# Altium PCB CPU_CARD.pcbdoc (part 1 of 10)
Units mil, origin at the board's own origin, x right, y up, seen from the top; angles counter-clockwise.
Board outline 12785.46 x 11935.21 mil, 2 copper layers (Top Layer, Bottom Layer); 169 components, 379 nets, 1548 pads, 1023 vias.
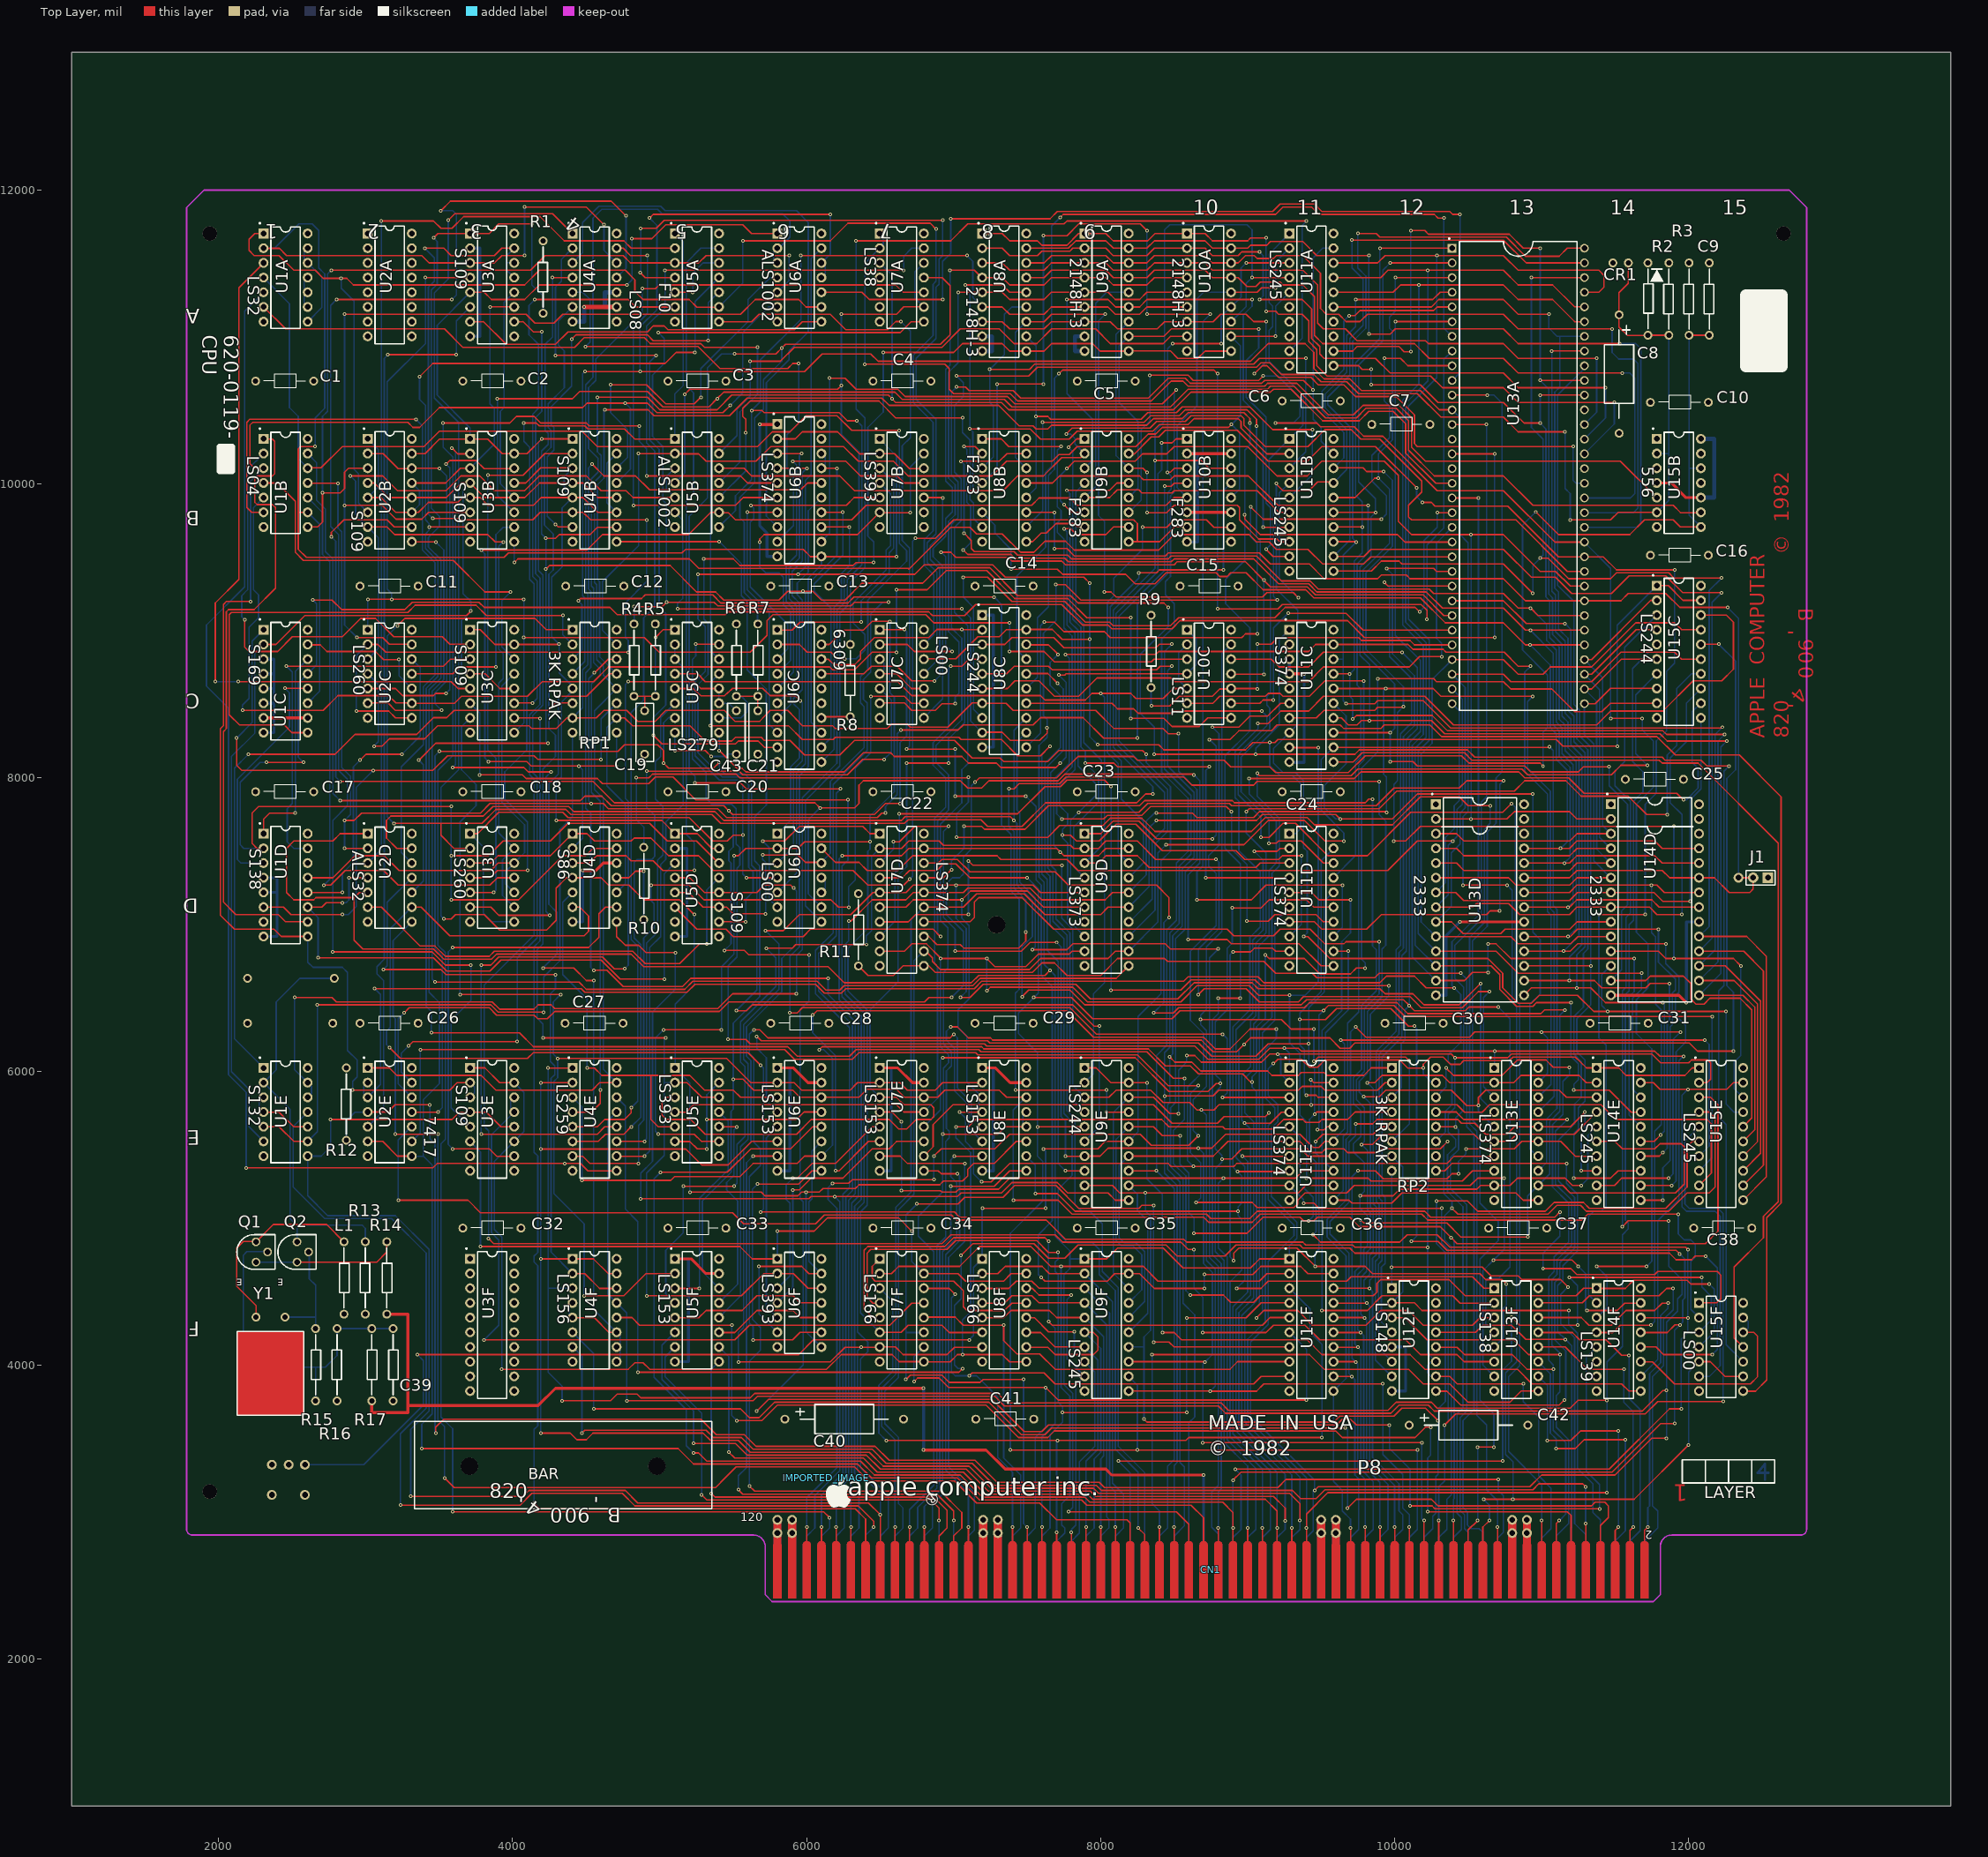
[diagram p0: Top Layer view]
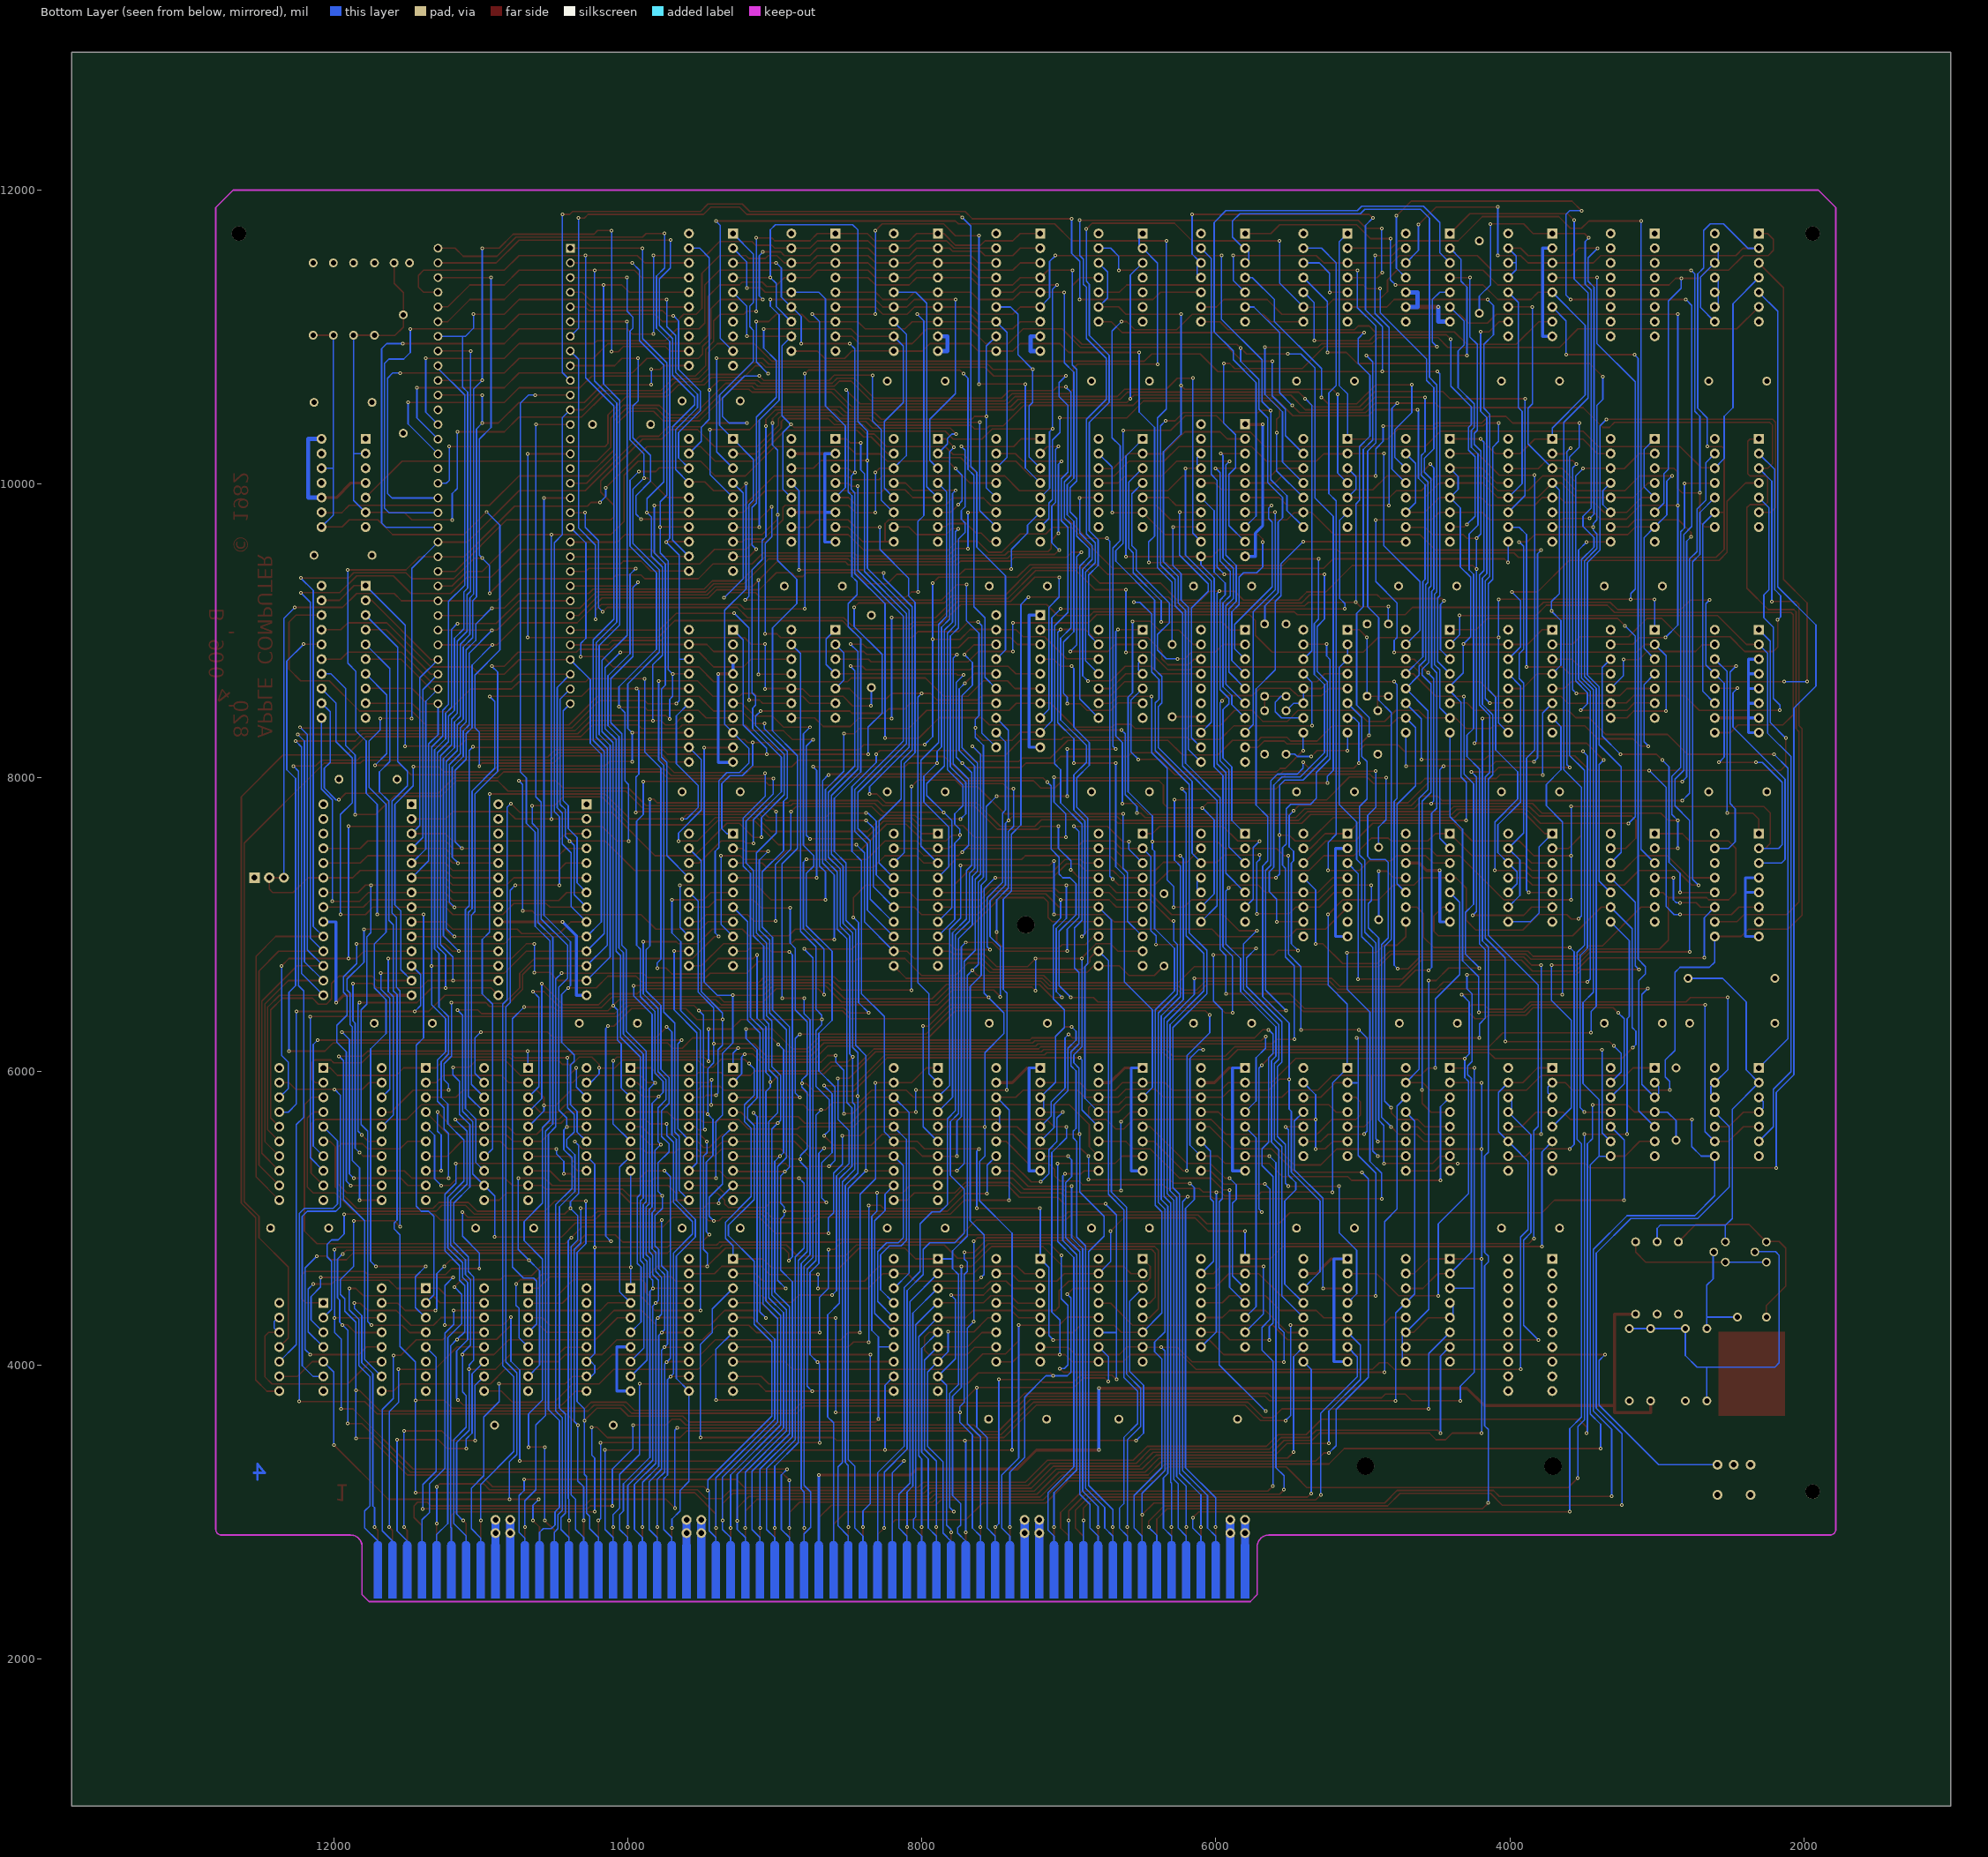
[diagram p1: Bottom Layer view, seen from below]

## Layer stack, top to bottom
Top Layer: signal copper (thickness not stored)
Dielectric: dielectric 12.6, FR-4, Dk 4.8
Bottom Layer: signal copper (thickness not stored)

## Board outline
13785.46,1000 1000,1000 1000,12935.21 13785.46,12935.21

## Components (designator, comment, footprint, x,y, rotation, side; value= is the part's Value field where it differs from the comment)
C1 "LISA_CPU_DECOUPLER_CERAMIC_CAP" CERAMIC_CAP_LISA 2446.7,10697.2 r0 top
C2 "LISA_CPU_DECOUPLER_CERAMIC_CAP" CERAMIC_CAP_LISA 3856.7,10697.2 r0 top
C3 "LISA_CPU_DECOUPLER_CERAMIC_CAP" CERAMIC_CAP_LISA 5251.7,10697.2 r0 top
C4 "LISA_CPU_DECOUPLER_CERAMIC_CAP" CERAMIC_CAP_LISA 6646.7,10697.2 r0 top
C5 "LISA_CPU_DECOUPLER_CERAMIC_CAP" CERAMIC_CAP_LISA 8036.7,10697.2 r0 top
C6 "LISA_CPU_DECOUPLER_CERAMIC_CAP" CERAMIC_CAP_LISA 9431.7,10562.2 r0 top
C7 "LISA_CPU_DECOUPLER_CERAMIC_CAP" CERAMIC_CAP_LISA 10041.7,10402.2 r0 top
C8 "2.2uF" LISA_CPU_AXIAL_CAP 11528.92,10745.4 r270 top
C9 ".01uF" LISA_RESISTOR 12143.1,11255.9 r90 top
C10 "LISA_CPU_DECOUPLER_CERAMIC_CAP" CERAMIC_CAP_LISA 11936.7,10552.2 r0 top
C11 "LISA_CPU_DECOUPLER_CERAMIC_CAP" CERAMIC_CAP_LISA 3156.7,9302.2 r0 top
C12 "LISA_CPU_DECOUPLER_CERAMIC_CAP" CERAMIC_CAP_LISA 4556.7,9302.2 r0 top
C13 "LISA_CPU_DECOUPLER_CERAMIC_CAP" CERAMIC_CAP_LISA 5951.7,9302.2 r0 top
C14 "LISA_CPU_DECOUPLER_CERAMIC_CAP" CERAMIC_CAP_LISA 7341.7,9302.2 r0 top
C15 "LISA_CPU_DECOUPLER_CERAMIC_CAP" CERAMIC_CAP_LISA 8736.7,9302.2 r0 top
C16 "LISA_CPU_DECOUPLER_CERAMIC_CAP" CERAMIC_CAP_LISA 11936.7,9512.2 r0 top
C17 "LISA_CPU_DECOUPLER_CERAMIC_CAP" CERAMIC_CAP_LISA 2446.7,7902.2 r0 top
C18 "LISA_CPU_DECOUPLER_CERAMIC_CAP" CERAMIC_CAP_LISA 3856.7,7902.2 r0 top
C19 "220pF" LISA_DISC_CERAMIC_CAPACITOR 4898.6,8303.9 r90 top
C20 "LISA_CPU_DECOUPLER_CERAMIC_CAP" CERAMIC_CAP_LISA 5251.7,7902.2 r0 top
C21 "220pF" LISA_DISC_CERAMIC_CAPACITOR 5668.31,8303.9 r90 top
C22 "LISA_CPU_DECOUPLER_CERAMIC_CAP" CERAMIC_CAP_LISA 6646.7,7902.2 r0 top
C23 "LISA_CPU_DECOUPLER_CERAMIC_CAP" CERAMIC_CAP_LISA 8036.7,7902.2 r0 top
C24 "LISA_CPU_DECOUPLER_CERAMIC_CAP" CERAMIC_CAP_LISA 9431.7,7902.2 r0 top
C25 "LISA_CPU_DECOUPLER_CERAMIC_CAP" CERAMIC_CAP_LISA 11766.7,7987.2 r0 top
C26 "LISA_CPU_DECOUPLER_CERAMIC_CAP" CERAMIC_CAP_LISA 3156.7,6327.2 r0 top
C27 "LISA_CPU_DECOUPLER_CERAMIC_CAP" CERAMIC_CAP_LISA 4551.7,6327.2 r0 top
C28 "LISA_CPU_DECOUPLER_CERAMIC_CAP" CERAMIC_CAP_LISA 5951.7,6327.2 r0 top
C29 "LISA_CPU_DECOUPLER_CERAMIC_CAP" CERAMIC_CAP_LISA 7341.7,6327.2 r0 top
C30 "LISA_CPU_DECOUPLER_CERAMIC_CAP" CERAMIC_CAP_LISA 10131.7,6327.2 r0 top
C31 "LISA_CPU_DECOUPLER_CERAMIC_CAP" CERAMIC_CAP_LISA 11526.7,6327.2 r0 top
C32 "LISA_CPU_DECOUPLER_CERAMIC_CAP" CERAMIC_CAP_LISA 3856.7,4932.2 r0 top
C33 "LISA_CPU_DECOUPLER_CERAMIC_CAP" CERAMIC_CAP_LISA 5251.7,4932.2 r0 top
C34 "LISA_CPU_DECOUPLER_CERAMIC_CAP" CERAMIC_CAP_LISA 6646.7,4932.2 r0 top
C35 "LISA_CPU_DECOUPLER_CERAMIC_CAP" CERAMIC_CAP_LISA 8036.7,4932.2 r0 top
C36 "LISA_CPU_DECOUPLER_CERAMIC_CAP" CERAMIC_CAP_LISA 9431.7,4932.2 r0 top
C37 "LISA_CPU_DECOUPLER_CERAMIC_CAP" CERAMIC_CAP_LISA 10836.7,4932.2 r0 top
C38 "LISA_CPU_DECOUPLER_CERAMIC_CAP" CERAMIC_CAP_LISA 12231.7,4932.2 r0 top
C39 "0.1uF" LISA_RESISTOR 3187.2,4002.5 r270 top
C40 "LISA_CPU_AXIAL_CAP" LISA_CPU_AXIAL_CAP 6256.7,3632.2 r0 top
C41 "LISA_CPU_DECOUPLER_CERAMIC_CAP" CERAMIC_CAP_LISA 7346.7,3632.2 r0 top
C42 "LISA_CPU_AXIAL_CAP" LISA_CPU_AXIAL_CAP 10504.12,3591.71 r0 top
C43 "220pF" LISA_DISC_CERAMIC_CAPACITOR 5522.6,8303.9 r90 top
CN1 "CPU Card Connector" LISA_60_PIN_EDGE_MK5 8851.7,2607.2 r0 top
CR1 "1N4148" LISA_CPU_DIODE 11720.8,11254.8 r90 top
IMPORTED_IMAGE "IMPORTED_IMAGE" IMPORTED_IMAGE 6132.85,3232.37 r0 top
J1 "UA12 +5V" HDR-TH_2P-P2.54-V-M-1 12491.7,7317.29 r180 top
L1 "INDUCTOR" LISA_RESISTOR 2852.6,4593.1 r270 top
Q1 "PN4258" LISA_CPU_TRANSISTOR 2332.88,4770.24 r90 top
Q2 "PN4258" LISA_CPU_TRANSISTOR 2611.7,4770.24 r90 top
R1 "1.5K" LISA_RESISTOR 4207.7,11404.8 r90 top
R2 "470K" LISA_RESISTOR 11867.5,11255.9 r90 top
R3 "5.1K" LISA_RESISTOR 12005.3,11255.9 r90 top
R4 "150" LISA_RESISTOR 4825.8,8798.4 r270 top
R5 "3.3K" LISA_RESISTOR 4971.5,8798.4 r270 top
R6 "3.3K" LISA_RESISTOR 5522.6,8798.4 r270 top
R7 "150" LISA_RESISTOR 5668.3,8798.4 r270 top
R8 "150" LISA_RESISTOR 6298.2,8659.1 r90 top
R9 "1K" LISA_RESISTOR 8344.7,8858.1 r270 top
R10 "22" LISA_RESISTOR 4892.7,7278.2 r270 top
R11 "1.5K" LISA_RESISTOR 6352.6,6963.3 r270 top
R12 "3.3K" LISA_RESISTOR 2868.3,5776.7 r90 top
R13 "150" LISA_RESISTOR 2998.2,4593.1 r90 top
R14 "330" LISA_RESISTOR 3143.9,4593.1 r270 top
R15 "47" LISA_RESISTOR 2659.7,4002.5 r270 top
R16 "1K" LISA_RESISTOR 2805.3,4002.5 r90 top
R17 "1.5K" LISA_RESISTOR 3041.5,4002.5 r270 top
RP1 "3.3K OHM RESPACK" LISA_DIP_16 4557.68,8655.08 r270 top
RP2 "3.3K OHM RESPACK" LISA_DIP_16 10132.48,5672.81 r270 top
U1A "74LS32" LISA_DIP_14 2455.32,11401.92 r270 top
U1B "74LS04" LISA_DIP_14 2455.32,10004.29 r270 top
U1C "74LS169" LISA_DIP_16 2455.33,8655.08 r270 top
U1D "74LS138" LISA_DIP_16 2455.33,7267.29 r270 top
U1E "74LS132" LISA_DIP_14 2455.32,5722.8 r270 top
U2A "LISA_EMPTY_DIP_16" LISA_DIP_16 3163.99,11351.92 r270 top
U2B "74S109" LISA_DIP_16 3163.99,9954.29 r270 top
U2C "74LS260" LISA_DIP_14 3163.98,8705.08 r270 top
U2D "74LS32" LISA_DIP_14 3163.98,7317.29 r270 top
U2E "7417" LISA_DIP_14 3163.98,5722.8 r270 top
U3A "74S109" LISA_DIP_16 3860.83,11351.93 r270 top
U3B "74S109" LISA_DIP_16 3860.83,9954.3 r270 top
U3C "74S109" LISA_DIP_16 3860.83,8655.08 r270 top
U3D "74LS260" LISA_DIP_14 3860.83,7317.29 r270 top
U3E "74S109" LISA_DIP_16 3860.83,5672.81 r270 top
U3F "LISA_EMPTY_DIP_20" LISA_DIP_20 3860.83,4273.59 r270 top
U4A "74LS08" LISA_DIP_14 4557.68,11401.92 r270 top
U4B "74S109" LISA_DIP_16 4557.68,9954.3 r270 top
U4D "74S86" LISA_DIP_14 4557.68,7317.29 r270 top
U4E "74LS259" LISA_DIP_16 4557.68,5672.81 r270 top
U4F "74LS156" LISA_DIP_16 4557.68,4373.6 r270 top
U5A "74F10" LISA_DIP_14 5254.53,11401.92 r270 top
U5B "74ALS1002" LISA_DIP_14 5254.53,10004.29 r270 top
U5C "74LS279" LISA_DIP_16 5254.53,8655.08 r270 top
U5D "74S109" LISA_DIP_16 5254.53,7267.29 r270 top
U5E "74LS393" LISA_DIP_14 5254.53,5722.8 r270 top
U5F "74LS153" LISA_DIP_16 5254.53,4373.6 r270 top
U6A "74ALS1002" LISA_DIP_14 5951.38,11401.92 r270 top
U6B "74LS374" LISA_DIP_20 5951.38,9954.29 r270 top
U6C "371-0072" LISA_DIP_20 5951.38,8555.08 r270 top
U6D "74LS00" LISA_DIP_14 5951.38,7317.29 r270 top
U6E "74LS153" LISA_DIP_16 5951.38,5672.81 r270 top
U6F "74LS393" LISA_DIP_14 5951.38,4423.59 r270 top
U7A "74LS38" LISA_DIP_14 6648.23,11401.92 r270 top
U7B "74LS393" LISA_DIP_14 6648.23,10004.29 r270 top
U7C "74LS00" LISA_DIP_14 6648.23,8705.08 r270 top
U7D "74LS374" LISA_DIP_20 6648.23,7167.29 r270 top
U7E "74LS153" LISA_DIP_16 6648.23,5672.81 r270 top
U7F "74LS166" LISA_DIP_16 6648.23,4373.6 r270 top
U8A "2148H" LISA_DIP_18 7345.07,11301.92 r270 top
U8B "74F283" LISA_DIP_16 7345.08,9954.3 r270 top
U8C "74LS244" LISA_DIP_20 7345.07,8655.08 r270 top
U8E "74LS153" LISA_DIP_16 7345.08,5672.81 r270 top
U8F "74LS166" LISA_DIP_16 7345.08,4373.6 r270 top
U9A "2148H" LISA_DIP_18 8041.92,11301.92 r270 top
U9B "74F283" LISA_DIP_16 8041.93,9954.29 r270 top
U9D "74LS373" LISA_DIP_20 8041.92,7167.29 r270 top
U9E "74LS244" LISA_DIP_20 8041.92,5572.8 r270 top
U9F "74LS245" LISA_DIP_20 8041.92,4273.59 r270 top
U10A "2148H" LISA_DIP_18 8738.77,11301.92 r270 top
U10B "74F283" LISA_DIP_16 8738.78,9954.29 r270 top
U10C "74LS11" LISA_DIP_14 8738.77,8705.08 r270 top
U11A "74LS245" LISA_DIP_20 9435.62,11251.92 r270 top
U11B "74LS245" LISA_DIP_20 9435.62,9854.29 r270 top
U11C "74LS374" LISA_DIP_20 9435.62,8555.08 r270 top
U11D "74LS374" LISA_DIP_20 9435.62,7167.29 r270 top
U11E "74LS374" LISA_DIP_20 9435.62,5572.8 r270 top
U11F "74LS245" LISA_DIP_20 9435.62,4273.59 r270 top
U12F "74LS148" LISA_DIP_16 10132.48,4173.6 r270 top
U13A "68000" 68000_LISA 10842.71,10206.93 r0 top
U13D "341-0175" LISA_CPU_2764_EPROM 10597.47,7212.2 r270 top
U13E "74LS374" LISA_DIP_20 10829.32,5572.8 r270 top
U13F "74LS138" LISA_DIP_16 10829.32,4173.6 r270 top
U14D "341-0176" LISA_CPU_2764_EPROM 11788.02,7212.29 r270 top
U14E "74LS245" LISA_DIP_20 11526.17,5572.8 r270 top
U14F "74LS139" LISA_DIP_16 11526.17,4173.6 r270 top
U15B "556" LISA_DIP_14 11935.62,10004.29 r270 top
U15C "74LS244" LISA_DIP_20 11935.62,8855.08 r270 top
U15E "74LS245" LISA_DIP_20 12223.02,5572.8 r270 top
U15F "74LS00" LISA_DIP_14 12223.02,4123.59 r270 top
Y1 "20.37504MHz" LISA_CPU_XTAL 2352.6,4327.3 r180 top
? "" ? 1789.35,11972.23 r0 top
? "" ? 1806.7,12008.58 r0 top
? "" ? 2099.16,12167.7 r0 top
? "" ? 12895.08,11972.23 r0 top
? "" ? 12781.7,11922.9 r0 top
? "" ? 6013.7,11897.18 r0 top
? "" ? 12803.43,11897.22 r0 top
? "" ? 1911.7,11559.33 r0 top
? "" ? 12676.7,11461.2 r0 top
? "" ? 2306.63,11797.24 r0 top
? "" ? 12405.98,11797.17 r0 top
? "" ? 12781.7,3080.95 r0 top
? "" ? 12873.47,2847.22 r0 top
? "" ? 2036.84,2847.2 r0 top
? "" ? 1806.7,3430.95 r0 top
? "" ? 1806.7,11326.57 r0 top
? "" ? 11809.67,2602.24 r0 top
? "" ? 5586.73,2769.69 r0 top
? "" ? 7259.68,2387.2 r0 top
? "" ? 5440.98,2772.21 r0 top
? "" ? 9429.05,3567.18 r0 top
? "" ? 2721.66,11837.21 r0 top
? "" ? 2848.83,2833.86 r0 top
? "" ? 6975.96,2402.73 r0 top
? "" ? 2067.84,2905.68 r0 top
? "" ? 11784.65,2297.9 r0 top
? "" ? 5748.25,2288.9 r0 top
? "" ? 11776.7,2007.1 r0 top
? "" ? 12313.17,2290.78 r0 top

## Footprints (in the part's own frame and the unit in brackets; to place one, negate y for a bottom-side part, rotate by r counter-clockwise, add the part's x,y. Pads: shape width x height; smd on the part's side, far side on the other; paste and mask are expansions set on the pad)
68000_LISA [mm]
  rect 1.5x1.5 hole 1: 1(-11.43,35.433)
  round 1.5 hole 1: 2(-11.43,32.893) 3(-11.43,30.353) 4(-11.43,27.813) 5(-11.43,25.273) 6(-11.43,22.733) 7(-11.43,20.193) 8(-11.43,17.653) 9(-11.43,15.113) 10(-11.43,12.573) 11(-11.43,10.033) 12(-11.43,7.493) 13(-11.43,4.953) 14(-11.43,2.413) 15(-11.43,-0.127) 16(-11.43,-2.667) 17(-11.43,-5.207) 18(-11.43,-7.747) 19(-11.43,-10.287) 20(-11.43,-12.827) 21(-11.43,-15.367) 22(-11.43,-17.907) 23(-11.43,-20.447) 24(-11.43,-22.987) 25(-11.43,-25.527) 26(-11.43,-28.067) 27(-11.43,-30.607) 28(-11.43,-33.147) 29(-11.43,-35.687) 30(-11.43,-38.227) 31(-11.43,-40.767) 32(-11.43,-43.307) 33(11.43,-43.307) 34(11.43,-40.767) 35(11.43,-38.227) 36(11.43,-35.687) 37(11.43,-33.147) 38(11.43,-30.607) 39(11.43,-28.067) 40(11.43,-25.527) 41(11.43,-22.987) 42(11.43,-20.447) 43(11.43,-17.907) 44(11.43,-15.367) 45(11.43,-12.827) 46(11.43,-10.287) 47(11.43,-7.747) 48(11.43,-5.207) 49(11.43,-2.667) 50(11.43,-0.127) 51(11.43,2.413) 52(11.43,4.953) 53(11.43,7.493) 54(11.43,10.033) 55(11.43,12.573) 56(11.43,15.113) 57(11.43,17.653) 58(11.43,20.193) 59(11.43,22.733) 60(11.43,25.273) 61(11.43,27.813) 62(11.43,30.353) 63(11.43,32.893) 64(11.43,35.433)
  silkscreen extent -12.04,-44.45 10.16,37.18
CERAMIC_CAP_LISA [mil]
  round 60 hole 36: 1(-195,0) 2(200,0)
  silkscreen extent -140,-46 146,50
HDR-TH_2P-P2.54-V-M-1 [mm]
  rect 1.8x1.8 hole 1: 1(-1.27,0)
  round 1.8 hole 1: 2(1.27,0)
  silkscreen extent -2.54,-1.27 2.54,1.27
IMPORTED_IMAGE [mil]
  silkscreen extent 0,-201 167,0